# KiCad board main_MagicAlonso-rounded.kicad_pcb (continued)
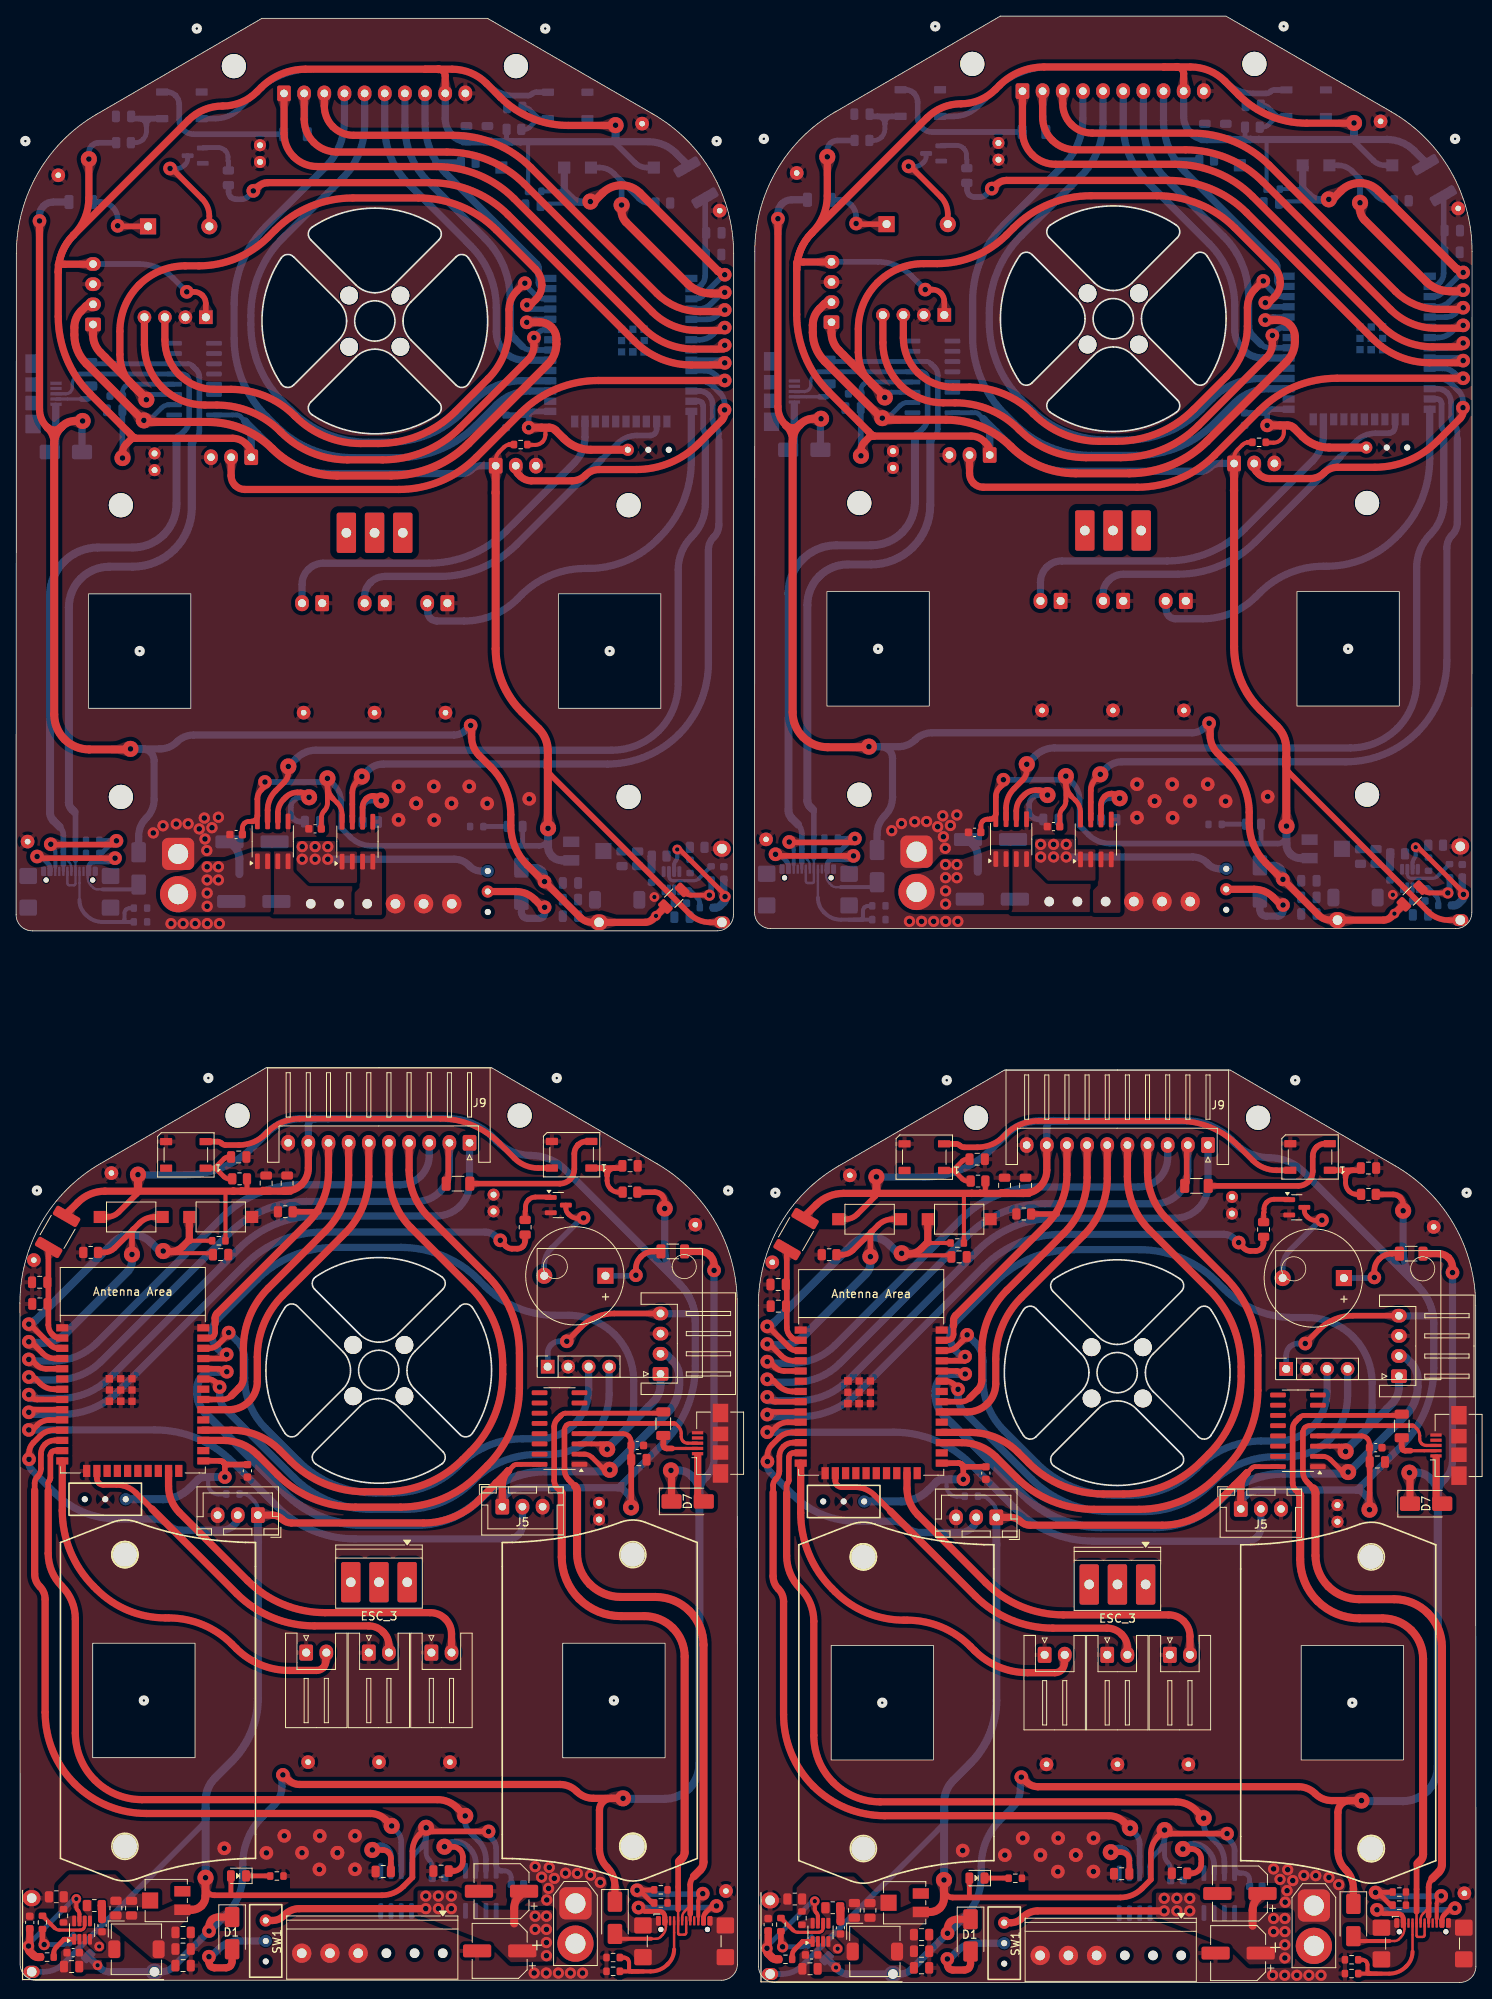
[diagram p0: board, top side]
## Routing (per net, layer and track width the routed paths; a pad name or vN(x,y) marks a point on that pad's centre or on a via; arc(x,y) is an arc through that point) (continued)
/CurrESC2: length 371.8
  Top w0.7: v2(42.9,149.66) 42.31,149.07 arc(41.87,148.41) 41.72,147.64 U3#2.7 ; U1#2.12 4.78,67.28 arc(4.13,67.15) 3.57,66.78 arc(3.2,66.22) 3.07,65.57 3.07,63.75 arc(2.97,63.24) 2.69,62.82 2.62,62.75 arc(2.38,62.39) 2.3,61.98 2.3,61.08 ; U1.12 96.41,67 arc(95.75,66.87) 95.2,66.5 arc(94.83,65.95) 94.7,65.29 94.7,63.47 arc(94.6,62.97) 94.31,62.54 94.24,62.47 arc(94.01,62.12) 93.92,61.7 93.92,60.8 ; U3.7 133.34,147.92 arc(133.49,148.69) 133.93,149.35 v2(134.52,149.94)
  Top w0.9: 2.3,61.08 2.3,50.7 arc(2.47,49.85) 2.95,49.13 arc(3.43,48.41) 3.6,47.56 3.6,33.53 arc(4.55,28.72) 7.27,24.65 arc(11.35,21.93) 16.15,20.98 43.95,20.98 arc(44.97,20.78) 45.82,20.2 v2(46.6,19.43) ; v2(138.22,19.15) 137.45,19.93 arc(136.59,20.5) 135.58,20.7 107.77,20.7 arc(102.97,21.66) 98.9,24.38 arc(96.18,28.45) 95.22,33.25 95.22,47.28 arc(95.05,48.13) 94.57,48.85 arc(94.09,49.57) 93.92,50.42 93.92,60.8
  Bottom w0.7: U3#4.7 47.78,17.41 arc(47.63,18.18) 47.19,18.84 v2(46.6,19.43) ; U3#3.7 139.41,17.13 arc(139.25,17.9) 138.82,18.56 v2(138.22,19.15) ; U1#3.12 84.72,197.51 arc(85.37,197.38) 85.92,197.01 arc(86.3,196.46) 86.42,195.81 86.42,193.99 arc(86.53,193.48) 86.81,193.05 86.88,192.98 arc(87.12,192.63) 87.2,192.21 87.2,191.31 ; U1#4.12 176.34,197.79 arc(176.99,197.66) 177.55,197.29 arc(177.92,196.74) 178.05,196.08 178.05,194.26 arc(178.15,193.76) 178.44,193.33 178.51,193.26 arc(178.74,192.91) 178.82,192.49 178.82,191.59
  Bottom w0.9: 87.2,191.31 87.2,180.93 arc(87.03,180.08) 86.55,179.36 arc(86.07,178.64) 85.9,177.79 85.9,163.76 arc(84.94,158.96) 82.22,154.89 arc(78.15,152.17) 73.35,151.21 45.55,151.21 arc(44.53,151.01) 43.68,150.44 v2(42.9,149.66) ; v2(134.52,149.94) 135.3,150.72 arc(136.16,151.29) 137.17,151.49 164.98,151.49 arc(169.78,152.45) 173.85,155.17 arc(176.57,159.24) 177.52,164.04 177.52,178.07 arc(177.69,178.92) 178.17,179.64 arc(178.65,180.36) 178.82,181.21 178.82,191.59
/D_LED: length 184.5
  Top w0.7: 115.14,104.08 115.33,104.08 ; 115.14,104.08 arc(115.14,104.08) 115.14,104.08 ; 115.14,104.08 arc(115.14,104.08) 115.14,104.08 ; 23.51,104.36 23.53,104.38 ; 23.51,104.36 arc(23.51,104.36) 23.51,104.36 ; 23.51,104.36 arc(23.51,104.36) 23.51,104.36 ; D5#2.4 156.39,100.8 arc(154.8,101.11) 153.46,102.01 151.61,103.86 arc(148.22,106.13) 144.22,106.93 126.79,106.93 arc(124.65,106.5) 122.84,105.29 122.57,105.02 arc(121.05,104.01) 119.26,103.65 117.62,103.65 arc(117.35,103.71) 117.11,103.86 arc(116.88,104.02) 116.6,104.07 115.14,104.07 arc(115.14,104.08) 115.14,104.08 ; 115.14,104.08 115.15,104.1 ; 115.14,104.08 arc(115.14,104.08) 115.14,104.08 ; D5.4 64.76,101.08 arc(63.18,101.39) 61.84,102.29 59.99,104.14 arc(56.6,106.41) 52.59,107.2 35.17,107.2 arc(33.03,106.78) 31.21,105.57 30.94,105.3 arc(29.43,104.28) 27.64,103.93 26,103.93 arc(25.72,103.98) 25.49,104.14 arc(25.25,104.3) 24.97,104.35 23.52,104.35 arc(23.52,104.35) 23.51,104.36 ; 23.51,104.36 23.7,104.36 ; 23.51,104.36 arc(23.51,104.36) 23.51,104.36
  Bottom w0.7: 157.61,234.87 157.42,234.87 ; 157.61,234.87 arc(157.61,234.87) 157.61,234.87 ; 157.61,234.87 arc(157.61,234.87) 157.61,234.87 ; 157.61,234.87 157.59,234.89 ; 157.61,234.87 arc(157.61,234.87) 157.61,234.87 ; 65.99,234.59 65.8,234.59 ; 65.99,234.59 arc(65.99,234.59) 65.99,234.59 ; 65.99,234.59 arc(65.99,234.59) 65.99,234.59 ; 65.99,234.59 65.97,234.61 ; 65.99,234.59 arc(65.99,234.59) 65.99,234.59 ; D5#3.4 24.74,231.31 arc(26.32,231.63) 27.66,232.52 29.51,234.37 arc(32.9,236.64) 36.91,237.44 54.33,237.44 arc(56.47,237.01) 58.29,235.8 58.55,235.53 arc(60.07,234.52) 61.86,234.16 63.5,234.16 arc(63.78,234.22) 64.01,234.37 arc(64.25,234.53) 64.53,234.59 65.98,234.59 arc(65.98,234.59) 65.99,234.59 ; D5#4.4 116.36,231.59 arc(117.94,231.91) 119.28,232.8 121.14,234.65 arc(124.53,236.92) 128.53,237.72 145.96,237.72 arc(148.1,237.29) 149.91,236.08 150.18,235.81 arc(151.7,234.8) 153.49,234.44 155.12,234.44 arc(155.4,234.5) 155.64,234.65 arc(155.87,234.81) 156.15,234.87 157.61,234.87 arc(157.61,234.87) 157.61,234.87
/Data_1aux: length 302.5
  Top w0.7: J9#2.2 53.69,104.14 arc(53.64,104.06) 53.62,103.97 53.62,99.57 arc(53.59,99.4) 53.49,99.26 REF**#7.2 ; U1#2.7 4.71,73.63 arc(3.78,73.81) 2.98,74.34 2.4,74.92 arc(2.16,75.08) 1.88,75.14 v1(1.57,75.14) ; REF**#8.2 145.12,98.99 arc(145.21,99.13) 145.24,99.29 145.24,103.69 arc(145.26,103.78) 145.31,103.86 J9.2 ; v1(93.2,74.86) 93.5,74.86 arc(93.79,74.81) 94.03,74.65 94.61,74.07 arc(95.4,73.54) 96.34,73.35 U1.7
  Top w0.9: 87.75,205.02 84.5,205.02 arc(81.49,205.62) 78.94,207.32 63.08,223.18 arc(58.67,226.13) 53.47,227.16 39.81,227.16 arc(38.25,227.47) 36.93,228.35 arc(36.05,229.68) 35.74,231.23 J9#4.2 ; J9#3.2 127.36,231.51 arc(127.67,229.95) 128.56,228.63 arc(129.88,227.75) 131.44,227.44 145.09,227.44 arc(150.29,226.4) 154.71,223.46 170.57,207.6 arc(173.12,205.89) 176.12,205.3 179.37,205.3
  Bottom w0.7: v1(87.92,205.37) 87.62,205.37 arc(87.34,205.32) 87.1,205.16 86.52,204.58 arc(85.72,204.05) 84.79,203.86 U1#3.7 ; J9#4.2 35.81,234.37 arc(35.86,234.29) 35.88,234.2 35.88,229.8 arc(35.91,229.64) 36.01,229.5 REF**#14.2 ; v1(179.55,205.65) 179.24,205.65 arc(178.96,205.6) 178.72,205.44 178.14,204.86 arc(177.35,204.33) 176.41,204.14 U1#4.7 ; REF**#12.2 127.63,229.78 arc(127.54,229.92) 127.5,230.08 127.5,234.48 arc(127.49,234.57) 127.43,234.65 J9#3.2
  Bottom w0.9: J9.2 145.38,100.72 arc(145.07,99.16) 144.19,97.84 arc(142.87,96.96) 141.31,96.65 127.66,96.65 arc(122.45,95.61) 118.04,92.67 102.18,76.81 arc(99.63,75.1) 96.63,74.51 93.37,74.51 ; 1.75,74.78 5,74.78 arc(8.01,75.38) 10.56,77.08 26.42,92.94 arc(30.83,95.89) 36.03,96.93 49.69,96.93 arc(51.25,97.24) 52.57,98.12 arc(53.45,99.44) 53.76,101 J9#2.2
/Data_2aux: length 298.4
  Top w0.7: v1(93.2,72.68) 93.5,72.38 arc(93.83,72.16) 94.21,72.08 U1.8 ; v1(1.57,72.95) 1.87,72.66 arc(2.2,72.44) 2.59,72.36 U1#2.8
  Top w0.9: 179.37,202.99 175.72,202.99 arc(172.35,203.66) 169.49,205.57 153.41,221.66 arc(148.99,224.6) 143.79,225.64 128.98,225.64 arc(127.4,225.95) 126.07,226.85 arc(125.18,228.18) 124.86,229.75 J9#3.1 ; J9#4.1 33.24,229.48 arc(33.55,227.9) 34.45,226.57 arc(35.78,225.68) 37.35,225.36 52.17,225.36 arc(57.37,224.33) 61.78,221.38 77.87,205.29 arc(80.73,203.38) 84.1,202.71 87.75,202.71
  Bottom w0.7: U1#4.8 178.53,202.87 arc(178.92,202.95) 179.25,203.17 v1(179.55,203.47) ; v1(87.92,203.19) 87.63,202.89 arc(87.3,202.67) 86.91,202.59 U1#3.8
  Bottom w0.9: J9.1 147.88,98.96 arc(147.57,97.39) 146.68,96.06 arc(145.34,95.16) 143.77,94.85 128.96,94.85 arc(123.75,93.81) 119.34,90.87 103.25,74.78 arc(100.4,72.87) 97.02,72.2 93.37,72.2 ; 1.75,72.48 5.4,72.48 arc(8.77,73.15) 11.63,75.06 27.72,91.14 arc(32.13,94.09) 37.33,95.13 52.15,95.13 arc(53.72,95.44) 55.05,96.33 arc(55.95,97.67) 56.26,99.24 J9#2.1
/Data_EN: length 136.1
  Top w0.7: 24.69,81.76 24.69,80.72 arc(24.63,80.43) 24.47,80.19 arc(24.23,80.03) 23.95,79.98 U1#2.37 ; R6.2 129.17,95.38 ; 116.31,81.48 116.31,80.44 arc(116.26,80.16) 116.1,79.92 arc(115.86,79.76) 115.57,79.7 U1.37 ; R6#2.2 37.55,95.65
  Top w0.9: J9#2.8 38.76,100.54 arc(38.08,97.14) 36.16,94.27 24.93,83.04 arc(24.75,82.77) 24.69,82.45 24.69,81.76 ; J9.8 130.38,100.26 arc(129.71,96.86) 127.79,93.99 116.56,82.76 arc(116.38,82.49) 116.31,82.17 116.31,81.48
  Bottom w0.7: R6#4.2 143.57,226.17 ; 64.81,211.99 64.81,210.95 arc(64.87,210.67) 65.03,210.43 arc(65.27,210.27) 65.55,210.21 U1#3.37 ; U1#4.37 157.17,210.49 arc(156.89,210.55) 156.65,210.71 arc(156.49,210.95) 156.43,211.23 156.43,212.27 ; R6#3.2 51.95,225.89
  Bottom w0.9: 156.43,212.27 156.43,212.96 arc(156.37,213.28) 156.19,213.55 144.96,224.78 arc(143.04,227.65) 142.36,231.05 J9#3.8 ; J9#4.8 50.74,230.77 arc(51.41,227.38) 53.34,224.5 64.57,213.27 arc(64.75,213) 64.81,212.68 64.81,211.99
/Data_S0: length 160.3
  Top w0.7: U1.31 117.23,72.08 arc(117.82,72.2) 118.33,72.53 ; U1#2.31 25.61,72.36 arc(26.2,72.48) 26.7,72.81
  Top w0.9: 118.33,72.53 119.3,73.51 arc(119.69,74.09) 119.82,74.77 119.82,78.41 arc(120.63,82.47) 122.92,85.9 130.03,93.01 arc(132.14,96.17) 132.88,99.9 J9.7 ; 26.7,72.81 27.68,73.79 arc(28.06,74.36) 28.2,75.04 28.2,78.69 arc(29.01,82.74) 31.3,86.18 38.41,93.28 arc(40.52,96.45) 41.26,100.17 J9#2.7
  Bottom w0.7: U1#4.31 155.52,202.87 arc(154.92,202.99) 154.42,203.33 ; U1#3.31 63.89,202.59 arc(63.3,202.71) 62.8,203.05
  Bottom w0.9: 154.42,203.33 153.44,204.3 arc(153.06,204.88) 152.92,205.56 152.92,209.21 arc(152.12,213.26) 149.82,216.69 142.72,223.8 arc(140.61,226.96) 139.86,230.69 J9#3.7 ; 62.8,203.05 61.82,204.02 arc(61.44,204.6) 61.3,205.28 61.3,208.93 arc(60.49,212.98) 58.2,216.41 51.09,223.52 arc(48.98,226.68) 48.24,230.41 J9#4.7
/Data_S1: length 172.6
  Top w0.9: U1#2.30 26.42,71.09 arc(27.76,71.35) 28.9,72.12 arc(29.66,73.25) 29.92,74.6 29.92,77.62 arc(30.75,81.76) 33.09,85.27 40.84,93.01 arc(43,96.25) 43.76,100.07 J9#2.6 ; U1.30 118.04,70.81 arc(119.38,71.08) 120.52,71.84 arc(121.28,72.98) 121.55,74.32 121.55,77.34 arc(122.37,81.48) 124.72,84.99 132.46,92.74 arc(134.62,95.97) 135.38,99.79 J9.6
  Bottom w0.9: U1#4.30 154.71,201.6 arc(153.36,201.87) 152.23,202.63 arc(151.47,203.77) 151.2,205.11 151.2,208.14 arc(150.38,212.27) 148.03,215.78 140.29,223.53 arc(138.12,226.77) 137.36,230.59 J9#3.6 ; U1#3.30 63.08,201.32 arc(61.74,201.59) 60.6,202.35 arc(59.84,203.49) 59.58,204.83 59.58,207.86 arc(58.75,212) 56.41,215.51 48.66,223.25 arc(46.5,226.49) 45.74,230.31 J9#4.6
/Data_S2: length 324.5
  Top w0.9: U1#2.28 26.72,68.55 arc(29.95,67.91) 32.69,66.07 34.04,64.73 arc(38.27,61.9) 43.26,60.91 45.77,60.91 arc(50.98,61.94) 55.39,64.89 56.39,65.89 arc(59.34,70.31) 60.37,75.51 60.37,76.66 arc(59.34,81.86) 56.39,86.28 49.02,93.65 arc(46.98,96.7) 46.26,100.31 J9#2.5 ; J9.5 137.88,100.03 arc(138.6,96.43) 140.64,93.37 148.01,86 arc(150.96,81.59) 152,76.38 152,75.23 arc(150.96,70.03) 148.01,65.62 147.01,64.61 arc(142.6,61.67) 137.39,60.63 134.89,60.63 arc(129.89,61.62) 125.66,64.45 124.32,65.8 arc(121.58,67.63) 118.35,68.27 U1.28
  Bottom w0.9: J9#4.5 43.24,230.54 arc(42.52,226.94) 40.48,223.88 33.11,216.51 arc(30.16,212.1) 29.12,206.89 29.12,205.75 arc(30.16,200.54) 33.11,196.13 34.11,195.13 arc(38.52,192.18) 43.73,191.14 46.24,191.14 arc(51.23,192.14) 55.46,194.96 56.81,196.31 arc(59.55,198.14) 62.78,198.78 U1#3.28 ; J9#3.5 134.86,230.82 arc(134.15,227.22) 132.11,224.16 124.73,216.79 arc(121.78,212.38) 120.75,207.17 120.75,206.03 arc(121.78,200.82) 124.73,196.41 125.73,195.4 arc(130.15,192.46) 135.35,191.42 137.86,191.42 arc(142.85,192.41) 147.08,195.24 148.43,196.59 arc(151.17,198.42) 154.4,199.06 U1#4.28
/Data_S3: length 340.9
  Top w0.9: J9#2.4 48.76,100.82 arc(49.38,97.69) 51.16,95.03 58.47,87.72 arc(61.41,83.31) 62.45,78.1 62.45,73.76 arc(61.41,68.56) 58.47,64.14 57.3,62.98 arc(52.89,60.03) 47.68,59 42.08,59 arc(36.88,60.03) 32.47,62.98 29.92,65.53 arc(27.98,66.82) 25.7,67.28 U1#2.27 ; J9.4 140.38,100.54 arc(141.01,97.41) 142.78,94.75 150.09,87.44 arc(153.04,83.03) 154.07,77.83 154.07,73.48 arc(153.04,68.28) 150.09,63.87 148.93,62.7 arc(144.51,59.76) 139.31,58.72 133.71,58.72 arc(128.5,59.76) 124.09,62.7 121.54,65.25 arc(119.61,66.55) 117.32,67 U1.27
  Bottom w0.9: U1#3.27 63.8,197.51 arc(61.52,197.06) 59.58,195.76 57.03,193.22 arc(52.62,190.27) 47.42,189.23 41.81,189.23 arc(36.61,190.27) 32.2,193.22 31.03,194.38 arc(28.09,198.79) 27.05,204 27.05,208.34 arc(28.09,213.54) 31.03,217.96 38.34,225.27 arc(40.12,227.92) 40.74,231.05 J9#4.4 ; J9#3.4 132.36,231.33 arc(131.74,228.2) 129.97,225.54 122.66,218.23 arc(119.71,213.82) 118.67,208.62 118.67,204.28 arc(119.71,199.07) 122.66,194.66 123.82,193.49 arc(128.23,190.55) 133.44,189.51 139.04,189.51 arc(144.24,190.55) 148.66,193.49 151.21,196.04 arc(153.14,197.34) 155.43,197.79 U1#4.27
/Data_SIG: length 264.7
  Top w0.7: 93.1,76.85 93.12,76.82 arc(93.15,76.81) 93.18,76.8 93.29,76.8 arc(93.32,76.81) 93.35,76.82 arc(93.38,76.84) 93.41,76.85 93.52,76.85 arc(93.66,76.82) 93.78,76.74 94.15,76.37 arc(94.69,76.01) 95.31,75.89 U1.5 ; U1#2.5 3.69,76.17 arc(3.06,76.29) 2.53,76.65 2.16,77.02 arc(2.04,77.1) 1.9,77.13 1.79,77.13 arc(1.75,77.12) 1.72,77.1 arc(1.7,77.08) 1.66,77.08 1.56,77.08 arc(1.53,77.08) 1.5,77.1 1.47,77.13
  Top w0.9: 179.65,207.64 176.51,207.64 arc(173.61,208.22) 171.16,209.86 155.48,225.53 arc(151.07,228.48) 145.86,229.52 133.51,229.52 arc(132.11,229.79) 130.93,230.58 arc(130.14,231.77) 129.86,233.16 J9#3.3 ; J9#4.3 38.24,232.88 arc(38.52,231.49) 39.31,230.3 arc(40.49,229.51) 41.88,229.24 54.24,229.24 arc(59.45,228.2) 63.86,225.25 79.53,209.58 arc(81.99,207.94) 84.89,207.36 88.03,207.36
  Bottom w0.7: U1#4.5 177.43,206.68 arc(178.06,206.81) 178.59,207.16 178.97,207.53 arc(179.09,207.61) 179.22,207.64 179.34,207.64 arc(179.37,207.63) 179.4,207.62 arc(179.43,207.6) 179.46,207.59 179.56,207.59 arc(179.6,207.6) 179.62,207.62 179.65,207.64 ; 88.03,207.36 88,207.34 arc(87.97,207.32) 87.94,207.31 87.84,207.31 arc(87.8,207.32) 87.78,207.34 arc(87.75,207.36) 87.71,207.36 87.6,207.36 arc(87.46,207.33) 87.34,207.26 86.97,206.88 arc(86.44,206.53) 85.81,206.4 U1#3.5
  Bottom w0.9: 93.1,76.85 96.24,76.85 arc(99.13,77.43) 101.59,79.07 117.26,94.74 arc(121.68,97.69) 126.88,98.72 139.24,98.72 arc(140.63,99) 141.82,99.79 arc(142.61,100.97) 142.88,102.37 J9.3 ; J9#2.3 51.26,102.65 arc(50.98,101.25) 50.19,100.07 arc(49.01,99.28) 47.62,99 35.26,99 arc(30.05,97.97) 25.64,95.02 9.97,79.35 arc(7.51,77.7) 4.61,77.13 1.47,77.13
  vias: v1(1.57,77.33) v1(87.92,207.56) v1(93.2,77.05) v1(179.55,207.84)
/EN: length 173.8
  Top w0.5: C7.1 115.95,90.15 arc(115.85,90.22) 115.72,90.24 110.32,90.24 arc(110.15,90.27) 110,90.37 v2(109.87,90.5) 109.87,90.17 arc(109.9,90.06) 109.96,89.96 110.05,89.88 ; C7#2.1 24.33,90.42 arc(24.22,90.49) 24.1,90.52 18.69,90.52 arc(18.52,90.55) 18.38,90.65 v2(18.25,90.78) 18.25,90.45 arc(18.27,90.34) 18.34,90.24 18.42,90.15 ; R2#2.1 113.29,91.78 arc(113.22,91.79) 113.17,91.83 arc(113.11,91.85) 113.06,91.83 ; R2.1 21.67,92.05 arc(21.6,92.07) 21.54,92.11 arc(21.49,92.13) 21.44,92.11
  Top w0.7: U1.3 96.83,78.43 arc(96.36,78.52) 95.95,78.79 93.59,81.15 arc(93.54,81.23) 93.52,81.32 93.52,81.43 ; U1#2.3 5.21,78.71 arc(4.73,78.8) 4.33,79.07 1.97,81.43 arc(1.92,81.51) 1.9,81.6 1.9,81.7
  Top w0.9: 113.11,91.95 113.11,94.54 arc(113.07,94.61) 112.98,94.6 112.85,94.47 ; 113.11,91.95 arc(113.13,91.89) 113.17,91.83 ; 113.11,91.95 arc(113.1,91.89) 113.06,91.83 112.27,91.04 arc(111.6,90.59) 110.8,90.43 109.99,90.43 arc(109.95,90.44) 109.91,90.47 v2(109.87,90.5) ; 21.22,94.74 21.36,94.88 arc(21.44,94.89) 21.49,94.82 21.49,92.23 ; 21.49,92.23 arc(21.48,92.16) 21.44,92.11 20.65,91.32 arc(19.97,90.87) 19.18,90.71 18.37,90.71 arc(18.32,90.72) 18.28,90.74 v2(18.25,90.78) ; 21.49,92.23 arc(21.5,92.16) 21.54,92.11
  Top w1: 179.22,212.22 178.79,212.65 arc(178.77,212.66) 178.75,212.67 arc(178.73,212.67) 178.71,212.68 169.04,222.35 arc(167.97,223.06) 166.71,223.32 arc(165.45,223.06) 164.39,222.35 163.48,221.45 arc(163.31,221.33) 163.1,221.29 v2(162.87,221.29) ; v2(71.25,221.01) 71.47,221.01 arc(71.68,221.05) 71.86,221.17 72.76,222.07 arc(73.83,222.79) 75.09,223.04 arc(76.35,222.79) 77.41,222.07 87.08,212.41 arc(87.1,212.39) 87.12,212.39 arc(87.15,212.38) 87.17,212.37 87.6,211.94
  Bottom w0.5: C7#4.1 156.79,220.94 arc(156.9,221.01) 157.02,221.03 162.43,221.03 arc(162.6,221.06) 162.74,221.16 v2(162.87,221.29) 162.87,220.96 arc(162.85,220.85) 162.79,220.75 162.7,220.67 ; R2#4.1 159.45,222.57 arc(159.52,222.58) 159.58,222.62 arc(159.63,222.64) 159.69,222.62 ; C7#3.1 65.17,220.66 arc(65.28,220.73) 65.4,220.75 70.81,220.75 arc(70.98,220.79) 71.12,220.88 v2(71.25,221.01) 71.25,220.69 arc(71.23,220.57) 71.16,220.47 71.08,220.39 ; R2#3.1 67.83,222.29 arc(67.9,222.3) 67.96,222.34 arc(68.01,222.36) 68.06,222.34
  Bottom w0.7: U1#3.3 84.29,208.94 arc(84.77,209.04) 85.17,209.31 87.53,211.67 arc(87.58,211.74) 87.6,211.84 87.6,211.94 ; U1#4.3 175.91,209.22 arc(176.39,209.31) 176.79,209.58 179.15,211.94 arc(179.21,212.02) 179.22,212.12 179.22,212.22
  Bottom w0.9: v2(162.87,221.29) 162.84,221.26 arc(162.8,221.23) 162.75,221.22 161.94,221.22 arc(161.15,221.38) 160.48,221.83 159.69,222.62 arc(159.65,222.68) 159.63,222.74 ; 68.01,222.47 68.01,225.05 arc(68.06,225.13) 68.14,225.11 68.28,224.98 ; 68.01,222.47 arc(68,222.4) 67.96,222.34 ; 68.01,222.47 arc(68.02,222.4) 68.06,222.34 68.85,221.55 arc(69.53,221.1) 70.32,220.94 71.13,220.94 arc(71.18,220.95) 71.22,220.98 v2(71.25,221.01) ; 159.63,222.74 159.63,225.33 arc(159.68,225.4) 159.77,225.39 159.9,225.26 ; 159.63,222.74 arc(159.62,222.68) 159.58,222.62
  Bottom w1: 93.52,81.43 93.96,81.86 arc(93.98,81.87) 94,81.88 arc(94.02,81.88) 94.04,81.89 103.71,91.56 arc(104.78,92.27) 106.04,92.53 arc(107.29,92.27) 108.36,91.56 109.26,90.66 arc(109.44,90.54) 109.65,90.5 v2(109.87,90.5) ; v2(18.25,90.78) 18.02,90.78 arc(17.82,90.82) 17.64,90.94 16.74,91.84 arc(15.67,92.55) 14.41,92.8 arc(13.15,92.55) 12.09,91.84 2.42,82.17 arc(2.4,82.16) 2.37,82.15 arc(2.35,82.15) 2.33,82.14 1.9,81.7
  vias: v1(1.57,81.7) v1(87.92,211.94) v1(93.2,81.43) v1(179.55,212.22)
/Enc1: length 147.3
  Top w0.7: v1(93.22,64.65) 93.22,65.41 arc(93.36,66.12) 93.76,66.71 94.6,67.55 arc(95.4,68.08) 96.33,68.27 U1.11 ; v1(1.6,64.93) 1.6,65.69 arc(1.74,66.39) 2.14,66.99 2.98,67.83 arc(3.77,68.36) 4.71,68.55 U1#2.11
  Top w0.9: v1(87.9,195.16) 87.9,194.67 arc(87.81,194.22) 87.56,193.84 84.69,190.97 arc(81.13,188.6) 76.93,187.76 72.34,187.76 arc(71.43,187.58) 70.65,187.06 arc(69.87,186.54) 68.96,186.36 63.92,186.36 arc(63.19,186.51) 62.56,186.92 62.27,187.22 arc(62.07,187.52) 62,187.86 J4#3.2 ; v1(179.52,195.44) 179.52,194.95 arc(179.43,194.5) 179.18,194.12 176.31,191.25 arc(172.75,188.88) 168.56,188.04 163.96,188.04 arc(163.05,187.86) 162.27,187.34 arc(161.5,186.82) 160.58,186.64 155.54,186.64 arc(154.81,186.79) 154.19,187.2 153.89,187.5 arc(153.69,187.79) 153.62,188.14 J4#4.2
  Bottom w0.7: U1#3.11 84.79,198.78 arc(85.73,198.6) 86.52,198.06 87.36,197.23 arc(87.76,196.63) 87.9,195.92 v1(87.9,195.16) ; U1#4.11 176.41,199.06 arc(177.35,198.87) 178.15,198.34 178.98,197.5 arc(179.38,196.91) 179.52,196.2 v1(179.52,195.44)
  Bottom w0.9: v1(93.22,64.65) 93.22,64.16 arc(93.31,63.71) 93.57,63.33 96.44,60.46 arc(99.99,58.08) 104.19,57.25 108.78,57.25 arc(109.7,57.07) 110.47,56.55 arc(111.25,56.03) 112.16,55.85 117.2,55.85 arc(117.94,56) 118.56,56.41 118.86,56.71 arc(119.05,57) 119.12,57.35 J4#2.2 ; J4.2 27.5,57.63 arc(27.43,57.28) 27.23,56.99 26.94,56.69 arc(26.31,56.27) 25.58,56.13 20.54,56.13 arc(19.63,56.31) 18.85,56.83 arc(18.07,57.35) 17.16,57.53 12.57,57.53 arc(8.37,58.36) 4.81,60.74 1.94,63.61 arc(1.69,63.99) 1.6,64.44 v1(1.6,64.93)
/Enc2: length 294
  Top w0.7: U1#2.10 5.72,69.81 arc(5.71,69.8) 5.7,69.8 4.12,69.8 arc(3.32,69.64) 2.64,69.19 2.18,68.74 arc(2.01,68.62) 1.8,68.58 v1(1.57,68.58) ; U1.10 97.34,69.53 arc(97.33,69.53) 97.32,69.53 95.74,69.53 arc(94.94,69.37) 94.26,68.91 93.81,68.46 arc(93.63,68.34) 93.42,68.3 v1(93.2,68.3)
  Top w0.9: v1(87.92,198.81) 72.26,198.81 arc(67.06,197.78) 62.65,194.83 57.09,189.27 arc(52.68,186.32) 47.47,185.29 28.38,185.29 arc(27.73,185.42) 27.18,185.79 arc(26.8,186.34) 26.68,186.99 J5#3.2 ; v1(179.55,199.09) 163.89,199.09 arc(158.68,198.05) 154.27,195.11 148.71,189.55 arc(144.3,186.6) 139.09,185.57 120.01,185.57 arc(119.35,185.7) 118.8,186.07 arc(118.43,186.62) 118.3,187.27 J5#4.2
  Bottom w0.7: U1#4.10 175.41,200.32 arc(175.41,200.32) 175.42,200.32 177.01,200.32 arc(177.81,200.16) 178.49,199.7 178.94,199.25 arc(179.12,199.13) 179.32,199.09 v1(179.55,199.09) ; U1#3.10 83.78,200.04 arc(83.79,200.04) 83.8,200.04 85.38,200.04 arc(86.18,199.88) 86.86,199.42 87.32,198.97 arc(87.49,198.85) 87.7,198.81 v1(87.92,198.81)
  Bottom w0.9: v1(93.2,68.3) 108.86,68.3 arc(114.06,67.26) 118.48,64.32 124.03,58.76 arc(128.45,55.81) 133.65,54.78 152.74,54.78 arc(153.39,54.9) 153.95,55.28 arc(154.32,55.83) 154.45,56.48 J5.2 ; v1(1.57,68.58) 17.23,68.58 arc(22.44,67.54) 26.85,64.59 32.41,59.04 arc(36.82,56.09) 42.03,55.05 61.12,55.05 arc(61.77,55.18) 62.32,55.55 arc(62.69,56.11) 62.82,56.76 J5#2.2
/ESC_1: length 200.3
  Top w0.9: 38.42,40.94 38.42,39.88 arc(38.34,39.44) 38.09,39.07 arc(37.71,38.82) 37.27,38.73 33.89,38.73 arc(30.33,39.44) 27.31,41.45 26.78,41.99 arc(23.17,44.4) 18.91,45.25 18.52,45.25 arc(13.91,46.17) 10,48.78 9.63,49.15 arc(6.74,53.47) 5.72,58.57 U1#2.14 ; U1.14 97.35,58.29 arc(98.36,53.2) 101.25,48.87 101.62,48.5 arc(105.53,45.89) 110.15,44.97 110.53,44.97 arc(114.79,44.12) 118.4,41.71 118.93,41.18 arc(121.95,39.16) 125.52,38.45 128.9,38.45 arc(129.34,38.54) 129.71,38.79 arc(129.96,39.16) 130.05,39.6 130.05,40.66
  Bottom w0.9: 142.7,171.46 142.7,170.39 arc(142.79,169.95) 143.04,169.58 arc(143.41,169.33) 143.85,169.24 147.23,169.24 arc(150.79,169.95) 153.81,171.97 154.35,172.5 arc(157.96,174.91) 162.22,175.76 162.6,175.76 arc(167.21,176.68) 171.12,179.29 171.5,179.66 arc(174.38,183.99) 175.4,189.08 U1#4.14 ; U1#3.14 83.78,188.81 arc(82.76,183.71) 79.87,179.38 79.5,179.01 arc(75.59,176.4) 70.98,175.48 70.59,175.48 arc(66.33,174.64) 62.72,172.22 62.19,171.69 arc(59.17,169.67) 55.61,168.96 52.23,168.96 arc(51.79,169.05) 51.41,169.3 arc(51.16,169.67) 51.08,170.11 51.08,171.18
/ESC_2: length 185.5
  Top w0.7: U1.16 101.65,62.28 arc(101.71,61.97) 101.88,61.71 arc(102.14,61.54) 102.45,61.47 104.09,61.47 arc(105.39,61.22) 106.49,60.48 108.48,58.49 ; U1#2.16 10.02,62.56 arc(10.09,62.25) 10.26,61.99 arc(10.52,61.81) 10.83,61.75 12.47,61.75 arc(13.77,61.49) 14.87,60.76 16.86,58.77
  Top w0.9: 16.86,58.77 27.39,48.24 arc(31.8,45.29) 37,44.26 43.74,44.26 arc(44.7,44.07) 45.51,43.52 45.6,43.44 arc(46.08,42.72) 46.25,41.87 46.25,40.94 ; 108.48,58.49 119.01,47.96 arc(123.42,45.02) 128.63,43.98 135.36,43.98 arc(136.32,43.79) 137.14,43.25 137.22,43.16 arc(137.7,42.44) 137.87,41.59 137.87,40.66
  Bottom w0.7: U1#3.16 79.47,192.79 arc(79.41,192.48) 79.24,192.22 arc(78.98,192.05) 78.67,191.99 77.03,191.99 arc(75.73,191.73) 74.63,190.99 72.64,189.01 ; U1#4.16 171.1,193.07 arc(171.04,192.76) 170.86,192.5 arc(170.6,192.33) 170.3,192.27 168.65,192.27 arc(167.36,192.01) 166.25,191.27 164.27,189.28
  Bottom w0.9: 72.64,189.01 62.11,178.48 arc(57.7,175.53) 52.5,174.49 45.76,174.49 arc(44.8,174.3) 43.98,173.76 43.9,173.67 arc(43.42,172.95) 43.25,172.1 43.25,171.18 ; 164.27,189.28 153.74,178.75 arc(149.32,175.81) 144.12,174.77 137.38,174.77 arc(136.42,174.58) 135.61,174.04 135.53,173.95 arc(135.04,173.23) 134.87,172.38 134.87,171.46
/ESC_3: length 190.7
  Top w0.9: U1.23 110.54,61.3 arc(110.89,59.54) 111.89,58.05 120.32,49.61 arc(124.74,46.66) 129.94,45.62 143,45.62 arc(144.02,45.42) 144.87,44.85 arc(145.45,43.99) 145.65,42.98 J12.2 ; J12#2.2 54.02,43.26 arc(53.82,44.27) 53.25,45.13 arc(52.39,45.7) 51.38,45.9 38.32,45.9 arc(33.11,46.94) 28.7,49.89 20.26,58.32 arc(19.27,59.82) 18.91,61.58 U1#2.23
  Bottom w0.9: J12#3.2 35.48,173.49 arc(35.68,174.5) 36.25,175.36 arc(37.11,175.94) 38.12,176.14 51.18,176.14 arc(56.39,177.17) 60.8,180.12 69.24,188.56 arc(70.23,190.05) 70.59,191.81 U1#3.23 ; U1#4.23 162.21,192.09 arc(161.86,190.33) 160.86,188.84 152.42,180.4 arc(148.01,177.45) 142.8,176.42 129.74,176.42 arc(128.73,176.21) 127.87,175.64 arc(127.3,174.78) 127.1,173.77 J12#4.2
/RX: length 384.2
  Top w0.6: v2(164.96,65.91) 164.96,66.1 arc(164.93,66.27) 164.83,66.42 164.82,66.43 arc(164.67,66.53) 164.49,66.56 U4#2.3 ; U4.3 72.86,66.84 arc(73.04,66.81) 73.2,66.7 73.21,66.7 arc(73.31,66.55) 73.34,66.38 v2(73.34,66.19)
  Top w0.7: U1#2.35 26.05,77.44 arc(26.08,77.44) 26.1,77.46 arc(26.12,77.49) 26.12,77.51 v1(26.12,77.95) ; v1(117.75,77.68) 117.75,77.24 arc(117.74,77.21) 117.73,77.18 arc(117.7,77.17) 117.67,77.16 U1.35
  Top w0.9: v1(63.38,208.19) 63.59,208.19 arc(63.78,208.23) 63.95,208.34 64.51,208.9 arc(65.04,209.69) 65.22,210.62 65.22,210.72 arc(65.02,211.75) 64.44,212.62 59.58,217.48 arc(55.17,220.43) 49.97,221.46 41.76,221.46 arc(36.55,220.43) 32.14,217.48 31.26,216.6 arc(27.32,213.96) 22.66,213.04 20.98,213.04 arc(17.88,212.42) 15.25,210.66 arc(13.49,208.03) 12.87,204.93 12.87,202.03 arc(13.3,199.88) 14.52,198.06 v2(16.16,196.42) ; v1(155,208.47) 155.21,208.47 arc(155.41,208.5) 155.57,208.62 156.14,209.18 arc(156.66,209.97) 156.85,210.9 156.85,211 arc(156.64,212.03) 156.06,212.9 151.21,217.76 arc(146.79,220.7) 141.59,221.74 133.38,221.74 arc(128.18,220.7) 123.76,217.76 122.89,216.88 arc(118.94,214.24) 114.29,213.32 112.61,213.32 arc(109.5,212.7) 106.87,210.94 arc(105.12,208.31) 104.5,205.21 104.5,202.31 arc(104.93,200.16) 106.14,198.34 v2(107.78,196.7)
  Top w1: v2(107.78,196.7) 107.8,196.72 arc(107.82,196.74) 107.82,196.77 107.82,196.78 arc(107.82,196.81) 107.8,196.84 102.08,202.56 arc(101.4,203.57) 101.17,204.76 J14#3.1 ; J14#4.1 9.54,204.48 arc(9.78,203.29) 10.45,202.28 16.17,196.56 arc(16.19,196.53) 16.2,196.5 16.2,196.49 arc(16.19,196.46) 16.18,196.44 v2(16.16,196.42)
  Bottom w0.6: U4#4.3 16.64,197.08 arc(16.46,197.04) 16.3,196.94 16.29,196.93 arc(16.19,196.78) 16.16,196.61 v2(16.16,196.42) ; U4#3.3 108.26,197.36 arc(108.08,197.32) 107.92,197.22 107.92,197.21 arc(107.82,197.06) 107.78,196.89 v2(107.78,196.7)
  Bottom w0.7: U1#3.35 63.45,207.67 arc(63.42,207.68) 63.4,207.69 arc(63.38,207.72) 63.38,207.75 v1(63.38,208.19) ; U1#4.35 155.08,207.95 arc(155.05,207.96) 155.02,207.97 arc(155,208) 155,208.03 v1(155,208.47)
  Bottom w0.9: v1(26.12,77.95) 25.91,77.95 arc(25.72,77.99) 25.55,78.1 24.99,78.67 arc(24.46,79.45) 24.27,80.39 24.27,80.49 arc(24.48,81.52) 25.06,82.39 29.92,87.24 arc(34.33,90.19) 39.53,91.23 47.74,91.23 arc(52.95,90.19) 57.36,87.24 58.24,86.37 arc(62.18,83.73) 66.84,82.8 68.52,82.8 arc(71.62,82.19) 74.25,80.43 arc(76.01,77.8) 76.62,74.69 76.62,71.8 arc(76.2,69.65) 74.98,67.83 v2(73.34,66.19) ; v2(164.96,65.91) 166.61,67.55 arc(167.82,69.37) 168.25,71.52 168.25,74.42 arc(167.63,77.52) 165.87,80.15 arc(163.24,81.91) 160.14,82.53 158.46,82.53 arc(153.81,83.45) 149.86,86.09 148.98,86.97 arc(144.57,89.91) 139.36,90.95 131.16,90.95 arc(125.95,89.91) 121.54,86.97 116.69,82.11 arc(116.1,81.24) 115.9,80.21 115.9,80.11 arc(116.08,79.18) 116.61,78.39 117.17,77.83 arc(117.34,77.71) 117.54,77.68 v1(117.75,77.68)
  Bottom w1: v2(73.34,66.19) 73.32,66.21 arc(73.31,66.23) 73.3,66.26 73.3,66.27 arc(73.31,66.3) 73.33,66.33 79.05,72.05 arc(79.72,73.06) 79.95,74.24 J14#2.1 ; J14.1 171.58,73.97 arc(171.34,72.78) 170.67,71.77 164.95,66.05 arc(164.93,66.02) 164.92,65.99 164.92,65.98 arc(164.93,65.95) 164.94,65.93 v2(164.96,65.91)
